# Altium PCB TEBF0808ASCII.PcbDoc (part 4 of 10) (continued)
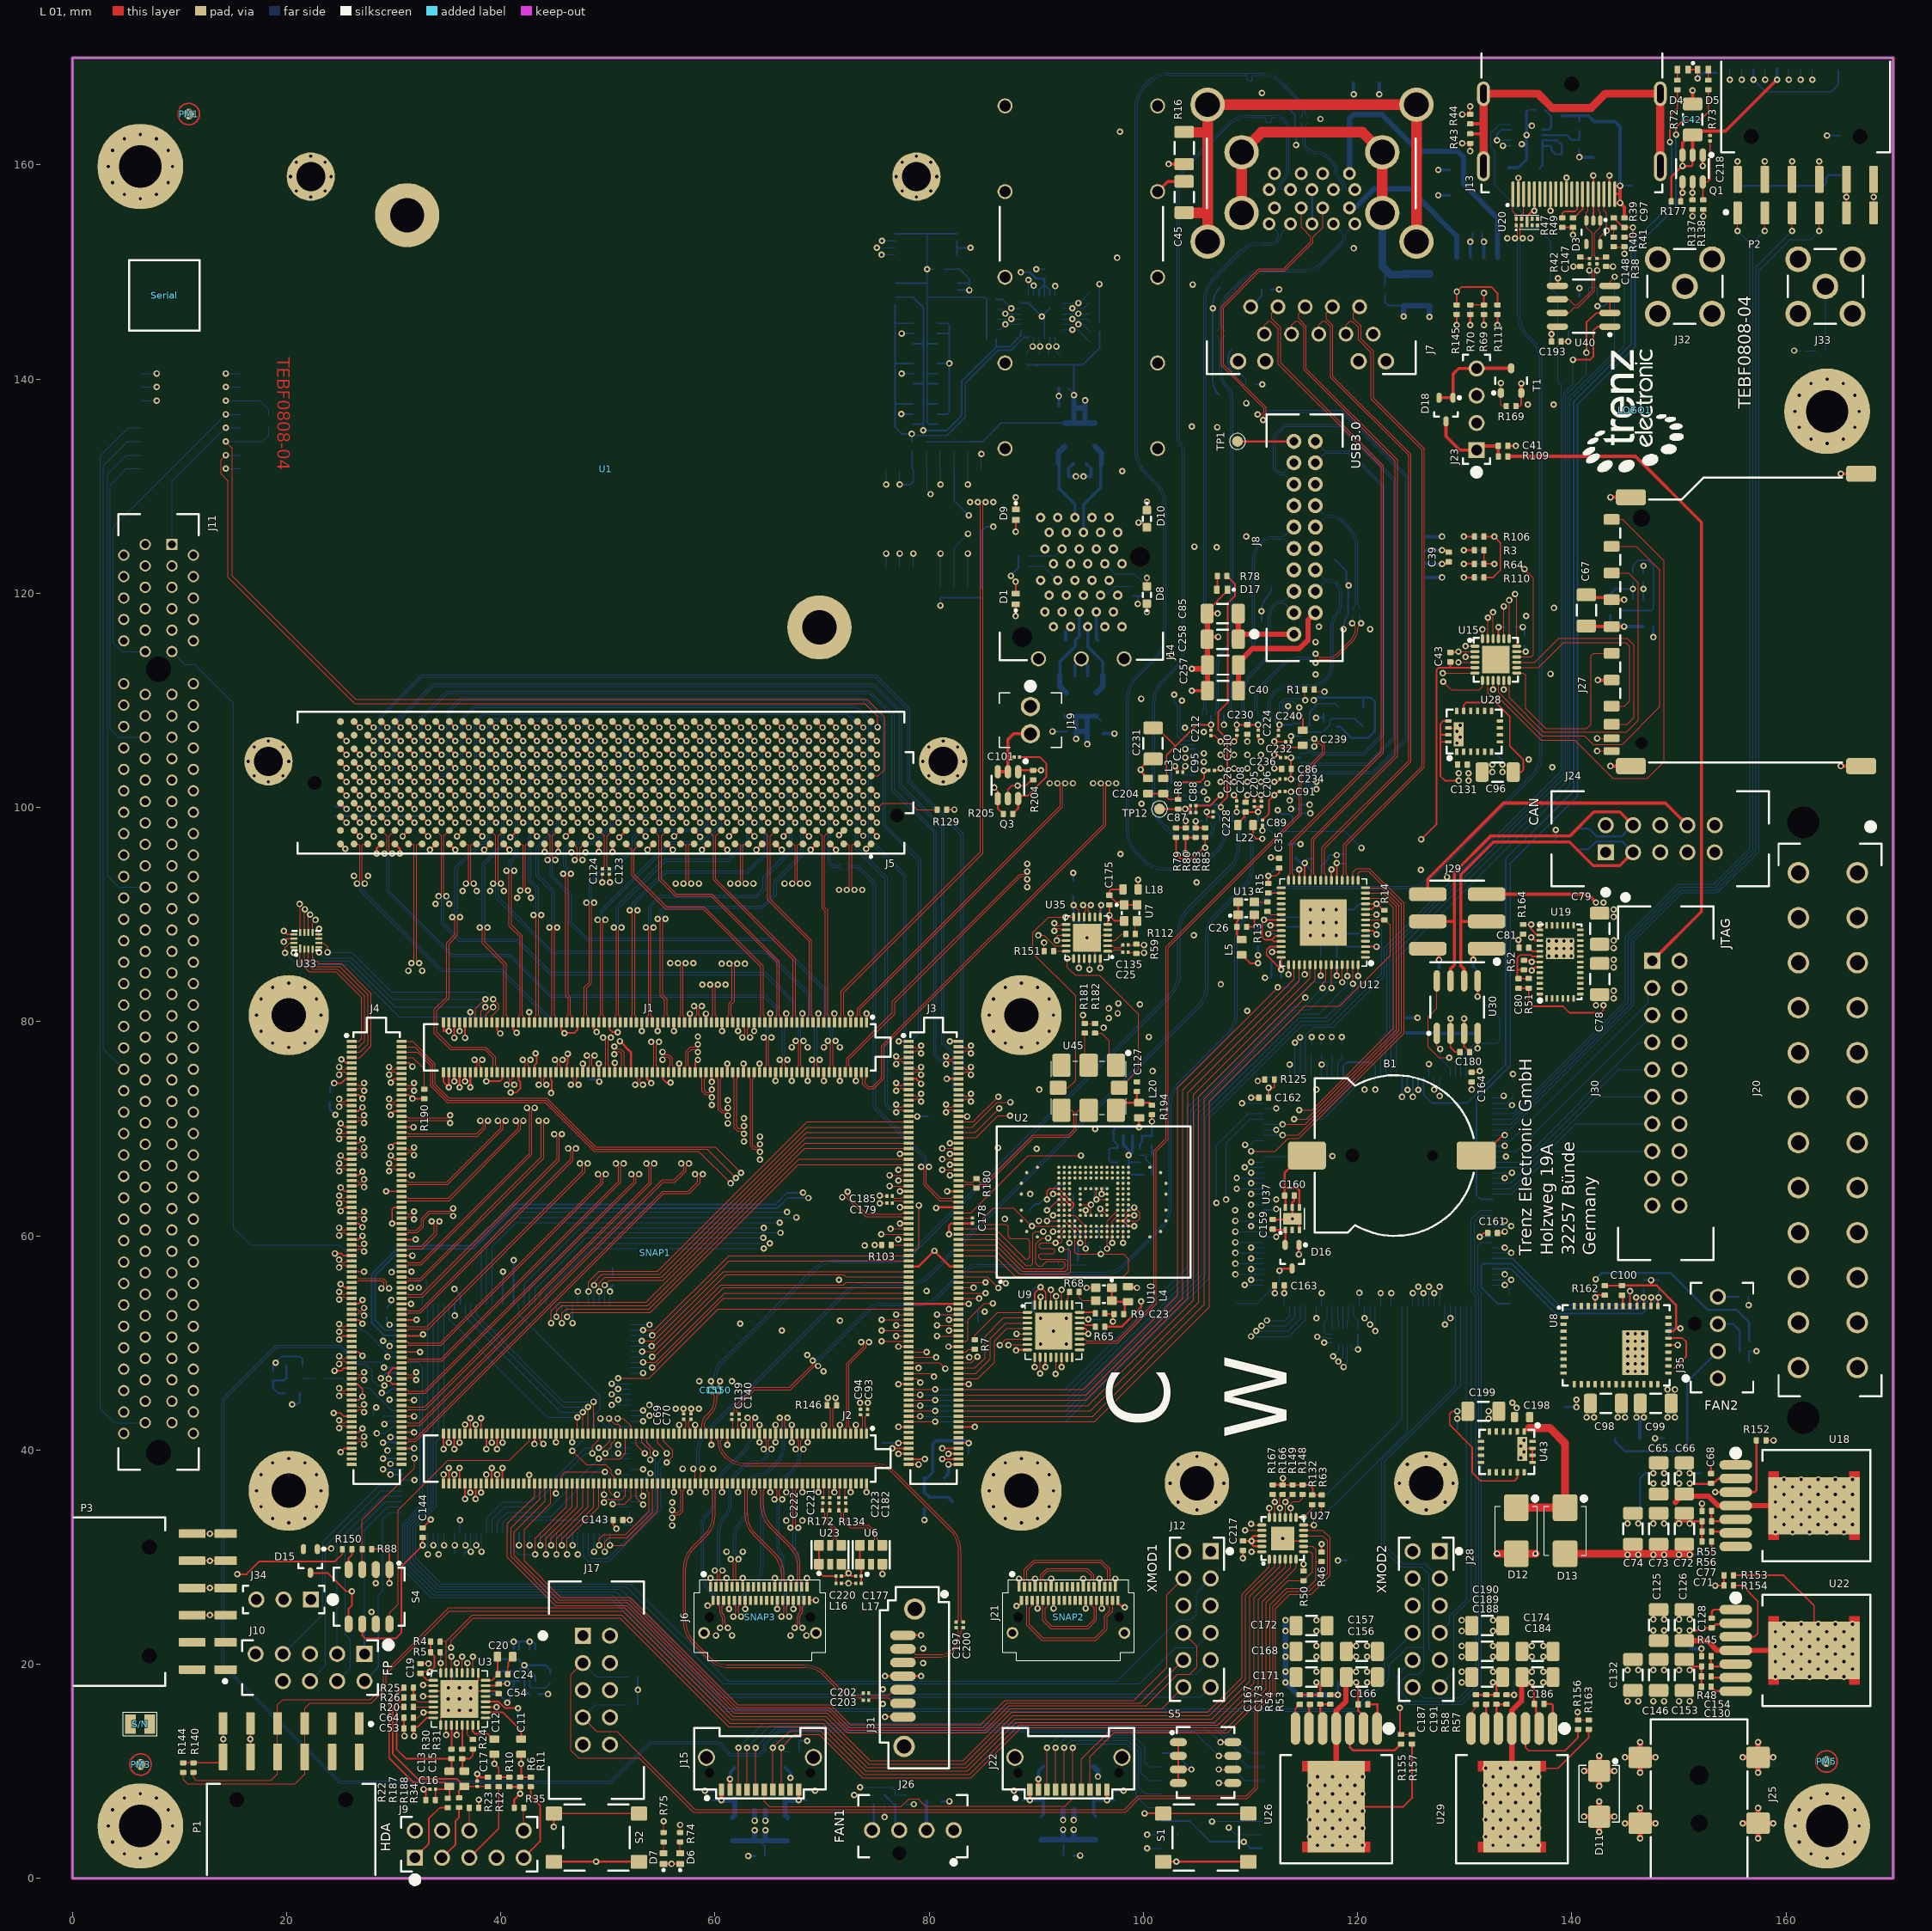
[diagram p0: L 01 view]
## Nets (pads, with @x,y where several pads share a name; then routed paths per layer and width w, separated by ;. In a path a pad name is that pad's centre, name@x,y a point inside that pad or via, vN(x,y) a via of type N, cw(c..) or ccw(c..) an arc to the next point about the centre after c; other vN are vias at no path point) (continued)
B64_L5_N: J4.104 J5.C14 | length 59.7
  L 01 w0.1: J4.104@30.74,52.653 31.255,52.653 31.395,52.793 32.493,52.793 46.76,67.06 46.76,67.9 v1(47.01,68.15)
  L 01 w0.2: J5.C14@58.056,99.125 v1(58.605,98.576)
  L 03 S w0.08: v1(47.01,68.15) 46.75,68.41 46.75,70.85 51.8,75.9 51.8,80.9 54.15,83.25 54.15,86.664 56.075,88.589 56.075,91.125 55.775,91.425 55.775,93.742 58.07,96.038 58.07,98.041 v1(58.605,98.576)
B64_L5_P: J4.102 J5.C15 | length 59.3
  L 01 w0.1: J4.102@30.74,53.153 31.255,53.153 31.395,53.013 32.402,53.013 46.54,67.151 46.54,67.9 v1(46.29,68.15)
  L 01 w0.2: J5.C15@56.786,99.125 v1(57.335,98.576)
  L 03 S w0.08: v1(46.29,68.15) 46.55,68.41 46.55,70.933 51.6,75.983 51.6,80.983 53.95,83.333 53.95,86.747 55.875,88.672 55.875,91.042 55.575,91.342 55.575,93.825 57.87,96.12 57.87,98.041 v1(57.335,98.576)
B64_L6_N: J4.96 J5.D15 | length 59.3
  L 01 w0.1: J4.96@30.74,54.653 31.255,54.653 31.395,54.513 32.602,54.513 45.24,67.151 45.24,69.25 v1(44.99,69.5)
  L 01 w0.2: J5.D15@56.786,100.395 v1(57.335,99.846)
  L 05 S w0.08: v1(44.99,69.5) 45.25,69.76 45.25,74.05 45.25,74.883 46.95,76.583 46.95,80.15 55.95,89.15 55.95,91.55 55.55,91.95 55.55,93.15 55.65,93.25 57.87,95.47 57.87,99.311 v1(57.335,99.846)
B64_L6_P: J4.98 J5.D14 | length 59.6
  L 01 w0.1: J4.98@30.74,54.153 31.255,54.153 31.395,54.293 32.693,54.293 45.46,67.06 45.46,69.25 v1(45.71,69.5)
  L 01 w0.2: J5.D14@58.056,100.395 v1(58.605,99.846)
  L 05 S w0.08: v1(45.71,69.5) 45.45,69.76 45.45,74.8 47.15,76.5 47.15,80.067 56.15,89.067 56.15,91.633 55.75,92.033 55.75,93.067 58.07,95.388 58.07,99.311 v1(58.605,99.846)
B64_L7_N: J4.152 J5.H7 | length 82.7
  L 01 w0.1: J4.152@30.74,40.653 31.255,40.653 31.402,40.8 32.061,40.8 55.201,63.939 57.601,63.939 58.61,64.949 58.61,65.5 v1(58.86,65.75)
  L 01 w0.2: J5.H7@66.946,105.475 v1(67.495,104.926)
  L 03 S w0.08: v1(58.86,65.75) 58.6,66.01 58.6,74.35 61.51,77.26 61.51,79.327 66,83.817 66,93.767 67.15,94.917 67.15,97.457 66.96,97.647 66.96,104.391 v1(67.495,104.926)
B64_L7_P: J4.150 J5.H8 | length 82.4
  L 01 w0.1: J4.150@30.74,41.153 31.255,41.153 31.388,41.02 31.97,41.02 55.109,64.159 57.509,64.159 58.39,65.04 58.39,65.5 v1(58.14,65.75)
  L 01 w0.2: J5.H8@65.676,105.475 v1(66.225,104.926)
  L 03 S w0.08: v1(58.14,65.75) 58.4,66.01 58.4,74.433 61.31,77.343 61.31,79.41 65.8,83.9 65.8,93.85 66.95,95 66.95,97.374 66.76,97.564 66.76,104.391 v1(66.225,104.926)
B64_L8_N: J4.144 J5.G10 | length 78.6
  L 01 w0.1: J4.144@30.74,42.653 31.255,42.653 31.395,42.513 32.385,42.513 55.092,65.22 56.17,65.22 57.09,66.14 57.09,66.5 v1(56.84,66.75)
  L 01 w0.2: J5.G10@63.136,104.205 v1(63.685,103.656)
  L 03 S w0.08: v1(56.84,66.75) 57.1,67.01 57.1,72.708 57.8,73.408 57.8,74.733 59.75,76.683 59.75,79.233 65.15,84.633 65.15,96.417 64.22,97.347 64.22,103.121 v1(63.685,103.656)
B64_L8_P: J4.146 J5.G9 | length 79
  L 01 w0.1: J4.146@30.74,42.153 31.255,42.153 31.395,42.293 32.476,42.293 55.183,65 56.261,65 57.31,66.049 57.31,66.5 v1(57.56,66.75)
  L 01 w0.2: J5.G9@64.406,104.205 v1(64.955,103.656)
  L 03 S w0.08: v1(57.56,66.75) 57.3,67.01 57.3,72.625 58,73.325 58,74.65 59.95,76.6 59.95,79.15 65.35,84.55 65.35,96.5 64.42,97.43 64.42,103.121 v1(64.955,103.656)
B64_L9_N: J4.108 J5.H14 | length 68
  L 01 w0.1: J4.108@30.74,51.653 31.255,51.653 31.395,51.513 33.119,51.513 47.64,66.034 47.64,66.5 v1(47.39,66.75)
  L 01 w0.2: J5.H14@58.056,105.475 v1(58.605,104.926)
  L 03 S w0.08: v1(47.39,66.75) 47.65,67.01 47.65,70.658 52.45,75.458 52.45,80.583 54.8,82.933 54.8,86.2 59.4,90.8 59.4,96.517 59.14,96.777 59.14,104.391 v1(58.605,104.926)
B64_L9_P: J4.110 J5.H13 | length 68.4
  L 01 w0.1: J4.110@30.74,51.153 31.255,51.153 31.395,51.293 33.21,51.293 47.86,65.943 47.86,66.5 v1(48.11,66.75)
  L 01 w0.2: J5.H13@59.326,105.475 v1(59.875,104.926)
  L 03 S w0.08: v1(48.11,66.75) 47.85,67.01 47.85,70.575 52.65,75.375 52.65,80.5 55,82.85 55,86.117 59.6,90.717 59.6,96.6 59.34,96.86 59.34,104.391 v1(59.875,104.926)
B64_L10_N: J4.90 J5.H17 | length 61.4
  L 01 w0.1: J4.90@30.74,56.153 31.255,56.153 31.395,56.013 32.452,56.013 43.79,67.351 43.79,70.5 v1(43.54,70.75)
  L 01 w0.2: J5.H17@54.246,105.475 v1(54.795,104.926)
  L 03 S w0.08: v1(43.54,70.75) 43.8,71.01 43.8,71.4 45.6,73.2 45.6,74.35 46.805,75.555 46.805,77.805 49.75,80.75 52.65,83.65 52.65,89.15 53.6,90.1 53.6,94.833 55.33,96.563 55.33,104.391 v1(54.795,104.926)
B64_L10_P: J4.92 J5.H16 | length 61.7
  L 01 w0.1: J4.92@30.74,55.653 31.255,55.653 31.395,55.793 32.543,55.793 44.01,67.26 44.01,70.5 v1(44.26,70.75)
  L 01 w0.2: J5.H16@55.516,105.475 v1(56.065,104.926)
  L 03 S w0.08: v1(44.26,70.75) 44,71.01 44,71.317 45.8,73.117 45.8,74.267 47.005,75.473 47.005,77.723 52.85,83.567 52.85,89.067 53.8,90.017 53.8,94.75 55.53,96.48 55.53,104.391 v1(56.065,104.926)
B64_L11_N: J4.80 J5.D9 | length 68.3
  L 01 w0.1: J4.80@30.74,58.653 31.255,58.653 31.395,58.793 32.654,58.793 34.02,60.159 34.02,61.1 v1(34.27,61.35)
  L 01 w0.2: J5.D9@64.406,100.395 v1(64.955,99.846)
  L 05 S w0.08: v1(34.27,61.35) 34.01,61.09 34.01,60.723 34.283,60.45 49,60.45 55,66.45 55,71.9 59.93,76.83 59.93,80.38 60.05,80.5 64.25,84.7 64.25,95.35 65.49,96.59 65.49,99.311 v1(64.955,99.846)
B64_L11_P: J4.78 J5.D8 | length 68.6
  L 01 w0.1: J4.78@30.74,59.153 31.255,59.153 31.395,59.013 32.563,59.013 33.8,60.25 33.8,61.1 v1(33.55,61.35)
  L 01 w0.2: J5.D8@65.676,100.395 v1(66.225,99.846)
  L 05 S w0.08: v1(33.55,61.35) 33.81,61.09 33.81,60.64 34.2,60.25 49.083,60.25 55.2,66.367 55.2,71.817 60.13,76.747 60.13,80.297 64.45,84.617 64.45,95.267 65.69,96.508 65.69,99.311 v1(66.225,99.846)
B64_L12_N: J4.126 J5.G7 | length 77
  L 01 w0.1: J4.126@30.74,47.153 31.255,47.153 31.395,47.013 31.85,47.013 v1(32.1,47.263)
  L 01 w0.2: J5.G7@66.946,104.205 v1(67.495,103.656)
  L 05 S w0.08: v1(32.1,47.263) 32.363,47 36.9,47 55.9,66 55.9,71.8 61.38,77.28 61.38,80.38 65.33,84.33 65.33,93.53 68.03,96.23 68.03,103.121 v1(67.495,103.656)
B64_L12_P: J4.128 J5.G6 | length 108
  L 01 w0.1: J4.128@30.74,46.653 31.255,46.653 31.395,46.793 31.85,46.793 v1(32.1,46.543)
  L 01 w0.2: J5.G6@68.216,104.205 v1(68.765,103.656)
  L 05 S w0.08: v1(32.1,46.543) 32.357,46.8 36.983,46.8 ; v1(68.765,103.656) 68.23,103.121 68.23,96.148 ; 36.983,46.8 56,65.817 ; 36.983,46.8 56,65.817 ; 56,65.817 56.1,65.917 56.1,71.717 61.58,77.197 61.58,80.297 65.53,84.247 65.53,93.447 ; 65.53,93.447 68.23,96.148 ; 65.53,93.447 68.23,96.148
B64_L13_N: J4.66 J5.K26 | length 58.5
  L 01 w0.1: J4.66@30.74,62.153 31.255,62.153 31.395,62.013 31.652,62.013 v1(31.902,62.263)
  L 01 w0.2: J5.K26@42.816,108.015 v1(43.365,107.466)
  L 14 S w0.08: v1(31.902,62.263) 32.162,62.003 32.553,62.003 32.9,62.35 32.9,79.317 30.6,81.617 30.6,89.4 35.1,93.9 36.267,93.9 37.217,94.85 41.75,94.85 43.9,97 43.9,106.931 v1(43.365,107.466)
B64_L13_P: J4.68 J5.K25 | length 58.8
  L 01 w0.1: J4.68@30.74,61.653 31.255,61.653 31.395,61.793 31.652,61.793 v1(31.902,61.543)
  L 01 w0.2: J5.K25@44.086,108.015 v1(44.635,107.466)
  L 14 S w0.08: v1(31.902,61.543) 32.162,61.803 32.636,61.803 33.1,62.267 33.1,79.4 30.8,81.7 30.8,89.317 35.183,93.7 36.35,93.7 37.3,94.65 41.833,94.65 44.1,96.918 44.1,106.931 v1(44.635,107.466)
B64_L14_N: J4.72 J5.H5 | length 76.7
  L 01 w0.1: J4.72@30.74,60.653 31.255,60.653 31.395,60.513 32.113,60.513 32.575,60.975 32.575,61.591 33.304,62.32 35.3,62.32 v1(35.55,62.57)
  L 01 w0.2: J5.H5@69.486,105.475 v1(70.035,104.926)
  L 03 S w0.08: v1(35.55,62.57) 35.81,62.31 56.76,62.31 61.85,67.4 61.85,71.29 64.82,74.26 64.82,76.77 67.295,79.245 67.295,89.82 70.57,93.095 70.57,104.391 v1(70.035,104.926)
B64_L14_P: J4.74 J5.H4 | length 77.1
  L 01 w0.1: J4.74@30.74,60.153 31.255,60.153 31.395,60.293 32.204,60.293 32.795,60.884 32.795,61.5 33.395,62.1 35.3,62.1 v1(35.55,61.85)
  L 01 w0.2: J5.H4@70.756,105.475 v1(71.305,104.926)
  L 03 S w0.08: v1(35.55,61.85) 35.81,62.11 56.843,62.11 62.05,67.317 62.05,71.207 65.02,74.177 65.02,76.687 67.05,78.717 67.495,79.163 67.495,89.738 70.77,93.013 70.77,104.391 v1(71.305,104.926)
B64_L15_N: J4.38 J5.H19 | length 50.2
  L 01 w0.1: J4.38@30.74,69.153 31.255,69.153 31.395,69.293 37.794,69.293 38.56,70.059 38.56,70.5 v1(38.81,70.75)
  L 01 w0.2: J5.H19@51.706,105.475 v1(52.255,104.926)
  L 03 S w0.08: v1@38.81,70.8 38.55,71.06 38.55,71.392 39.65,72.492 39.65,74.842 45.65,80.842 45.65,83.775 48.25,86.375 48.25,89.667 48.833,90.25 49.75,90.25 51.72,92.22 51.72,104.391 v1(52.255,104.926)
B64_L15_P: J4.36 J5.H20 | length 49.8
  L 01 w0.1: J4.36@30.74,69.653 31.255,69.653 31.395,69.513 37.703,69.513 38.34,70.15 38.34,70.5 v1(38.09,70.75)
  L 01 w0.2: J5.H20@50.436,105.475 v1(50.985,104.926)
  L 03 S w0.08: v1@38.09,70.8 38.35,71.06 38.35,71.475 39.45,72.575 39.45,74.925 45.45,80.925 45.45,83.858 48.05,86.458 48.05,89.75 48.75,90.45 49.667,90.45 51.52,92.303 51.52,104.391 v1(50.985,104.926)
B64_L16_N: J4.84 J5.G16 | length 59.2
  L 01 w0.1: J4.84@30.74,57.653 31.255,57.653 31.395,57.513 32.502,57.513 42.69,67.701 42.69,71.7 v1(42.44,71.95)
  L 01 w0.2: J5.G16@55.516,104.205 v1(56.065,103.656)
  L 05 S w0.08: v1(42.44,71.95) 42.7,72.21 42.7,74.4 44.3,76 44.3,78.375 45.305,79.38 45.305,81.805 53.65,90.15 53.65,92.75 56.627,95.727 56.627,103.094 v1(56.065,103.656)
B64_L16_P: J4.86 J5.G15 | length 59.5
  L 01 w0.1: J4.86@30.74,57.153 31.255,57.153 31.395,57.293 32.593,57.293 42.91,67.61 42.91,71.7 v1(43.16,71.95)
  L 01 w0.2: J5.G15@56.786,104.205 v1(57.335,103.656)
  L 05 S w0.08: v1(43.16,71.95) 42.9,72.21 42.9,74.317 44.45,75.867 44.5,75.917 44.5,78.292 45.505,79.298 45.505,81.723 53.85,90.067 53.85,92.667 56.827,95.644 56.827,103.147 v1(57.335,103.656)
B64_L17_N: J4.62 J5.C18 | length 48.9
  L 01 w0.1: J4.62@30.74,63.153 31.255,63.153 31.395,63.293 35.193,63.293 41.86,69.96 41.86,70.5 v1(42.11,70.75)
  L 01 w0.2: J5.C18@52.976,99.125 v1(53.525,98.576)
  L 03 S w0.08: v1(42.11,70.75) 41.85,71.01 41.85,73.15 42.575,73.875 42.575,74.617 52.05,84.092 52.05,89.35 51.4,90 51.4,90.817 52.99,92.408 52.99,98.041 v1(53.525,98.576)
B64_L17_P: J4.60 J5.C19 | length 48.6
  L 01 w0.1: J4.60@30.74,63.653 31.255,63.653 31.395,63.513 35.102,63.513 41.64,70.051 41.64,70.5 v1(41.39,70.75)
  L 01 w0.2: J5.C19@51.706,99.125 v1(52.255,98.576)
  L 03 S w0.08: v1(41.39,70.75) 41.65,71.01 41.65,73.233 42.375,73.958 42.375,74.7 51.85,84.175 51.85,89.267 51.2,89.917 51.2,90.9 52.79,92.49 52.79,98.041 v1(52.255,98.576)
B64_L18_N: J4.56 J5.D17 | length 49.4
  L 01 w0.1: J4.56@30.74,64.653 31.255,64.653 31.395,64.793 35.044,64.793 40.21,69.959 40.21,70.5 v1(40.46,70.75)
  L 01 w0.2: J5.D17@54.246,100.395 v1(54.795,99.846)
  L 05 S w0.08: v1(40.46,70.75) 40.2,71.01 40.2,71.35 42.15,73.3 42.15,74.617 43.75,76.217 43.9,76.367 43.9,81.567 48.1,85.767 48.1,89.767 48.533,90.2 49.433,90.2 54.6,95.367 54.6,97.633 54.26,97.972 54.26,99.311 v1(54.795,99.846)
B64_L18_P: J4.54 J5.D18 | length 49.3
  L 01 w0.08: v1(39.74,70.75) v1@39.94,70.75
  L 01 w0.1: J4.54@30.74,65.153 31.255,65.153 31.395,65.013 34.953,65.013 39.99,70.05 39.99,70.5 v1(39.74,70.75) ; v1@39.94,70.75 v1@39.99,70.8
  L 01 w0.2: J5.D18@52.976,100.395 v1(53.525,99.846)
  L 05 S w0.08: v1(39.74,70.75) 40,71.01 40,71.433 41.95,73.383 41.95,74.7 43.7,76.45 43.7,81.65 47.9,85.85 47.9,89.85 48.45,90.4 49.35,90.4 54.4,95.45 54.4,97.55 54.06,97.89 54.06,99.311 v1(53.525,99.846)
B64_L19_N: J4.30 J5.G19 | length 46.2
  L 01 w0.1: J4.30@30.74,71.153 31.255,71.153 31.395,71.013 35.025,71.013 v1(35.275,71.263)
  L 01 w0.2: J5.G19@51.706,104.205 v1(52.255,103.656)
  L 05 S w0.08: v1(35.275,71.263) 35.535,71.003 36.195,71.003 39.65,74.458 39.65,75.55 40.805,76.705 40.805,80.513 46.8,86.508 46.8,91.26 52.79,97.25 52.79,103.121 v1(52.255,103.656)
B64_L19_P: J4.32 J5.G18 | length 46.6
  L 01 w0.1: J4.32@30.74,70.653 31.255,70.653 31.395,70.793 35.025,70.793 v1(35.275,70.543)
  L 01 w0.2: J5.G18@52.976,104.205 v1(53.525,103.656)
  L 05 S w0.08: v1(35.275,70.543) 35.535,70.803 36.278,70.803 39.85,74.375 39.85,75.467 41.005,76.623 41.005,80.43 47,86.425 47,91.177 52.99,97.168 52.99,103.121 v1(53.525,103.656)
B64_L20_N: J4.48 J5.E22 | length 53.5
  L 01 w0.1: v1(29.578,66.763) 29.828,66.513 30.085,66.513 30.225,66.653 J4.48@30.74,66.653
  L 01 w0.2: J5.E22@47.896,101.665 v1(48.445,101.116)
  L 12 S w0.08: v1(29.578,66.763) 29.838,66.503 32.803,66.503 34.25,67.95 34.25,88.85 33,90.1 33,92.033 35.117,94.15 37.4,94.15 40.1,96.85 40.1,97.511 40.725,98.136 41.008,98.136 41.265,98.393 41.265,98.698 41.867,99.3 48.75,99.3 48.98,99.53 48.98,100.581 v1(48.445,101.116)
B64_L20_P: J4.50 J5.E21 | length 53.9
  L 01 w0.1: v1(29.578,66.043) 29.828,66.293 30.085,66.293 30.225,66.153 J4.50@30.74,66.153
  L 01 w0.2: J5.E21@49.166,101.665 v1(49.715,101.116)
  L 12 S w0.08: v1(29.578,66.043) 29.838,66.303 32.886,66.303 34.45,67.867 34.45,87.2 34.45,88.933 33.2,90.183 33.2,91.95 35.2,93.95 37.483,93.95 37.783,94.25 40.3,96.767 40.3,97.428 40.808,97.936 41.091,97.936 41.465,98.31 41.465,98.615 41.95,99.1 48.833,99.1 49.18,99.448 49.18,100.581 v1(49.715,101.116)
B64_L21_N: J4.44 J5.E24 | length 46.6
  L 01 w0.1: J4.44@30.74,67.653 31.255,67.653 31.395,67.793 31.652,67.793 v1(31.902,67.543)
  L 01 w0.2: J5.E24@45.356,101.665 v1(45.905,101.116)
  L 12 S w0.08: v1(31.902,67.543) 32.162,67.803 32.583,67.803 33.75,68.97 33.75,87.35 32.5,88.6 32.5,92.3 35.275,95.075 36.15,95.075 37.675,96.6 38.583,96.6 40.3,98.317 40.3,99.942 40.758,100.4 45.103,100.4 45.37,100.667 45.37,101 45.486,101.116 v1(45.905,101.116)
B64_L21_P: J4.42 J5.E25 | length 46.3
  L 01 w0.1: J4.42@30.74,68.153 31.255,68.153 31.395,68.013 31.652,68.013 v1(31.902,68.263)
  L 01 w0.2: J5.E25@44.086,101.665 v1(44.635,101.116)
  L 12 S w0.08: v1(31.902,68.263) 32.162,68.003 32.5,68.003 33.55,69.053 33.55,87.267 32.3,88.517 32.3,92.383 35.192,95.275 36.067,95.275 37.592,96.8 38.5,96.8 40.1,98.4 40.1,100.025 40.675,100.6 45.02,100.6 45.17,100.75 45.17,101 45.055,101.116 v1(44.635,101.116)
B64_L22_N: J4.20 J5.F22 | length 38.3
  L 01 w0.1: J4.20@30.74,73.653 31.255,73.653 31.395,73.793 31.652,73.793 v1(31.902,73.543)
  L 01 w0.2: J5.F22@47.896,102.935 v1(48.445,102.386)
  L 03 S w0.08: v1(31.902,73.543) 32.162,73.803 32.953,73.803 41.85,82.7 41.85,86.917 44.95,90.017 44.95,93.667 46.05,94.767 46.05,96.167 47.91,98.028 47.91,101.851 v1(48.445,102.386)
B64_L22_P: J4.18 J5.F23 | length 37.9
  L 01 w0.1: J4.18@30.74,74.153 31.255,74.153 31.395,74.013 31.652,74.013 v1(31.902,74.263)
  L 01 w0.2: J5.F23@46.626,102.935 v1(47.175,102.386)
  L 03 S w0.08: v1(31.902,74.263) 32.162,74.003 32.87,74.003 41.65,82.783 41.65,87 44.75,90.1 44.75,93.75 45.85,94.85 45.85,96.25 47.71,98.11 47.71,101.851 v1(47.175,102.386)
B64_L23_N: J4.26 J5.J25 | length 50.8
  L 01 w0.1: v1(29.578,72.043) 29.828,72.293 30.085,72.293 30.225,72.153 J4.26@30.74,72.153
  L 01 w0.2: J5.J25@44.086,106.745 v1(44.635,106.196)
  L 12 S w0.08: v1(29.578,72.043) 29.318,72.303 29.017,72.303 28.05,73.27 28.05,91.783 33.067,96.8 33.5,96.8 33.8,97.1 33.8,104.033 34.117,104.35 35.85,104.35 36.3,104.8 36.3,105.283 36.667,105.65 45,105.65 45.17,105.82 45.17,106.1 45.075,106.196 v1(44.635,106.196)
B64_L23_P: J4.24 J5.J24 | length 50.5
  L 01 w0.1: v1(29.578,72.763) 29.828,72.513 30.085,72.513 30.225,72.653 J4.24@30.74,72.653
  L 01 w0.2: J5.J24@45.356,106.745 v1(45.905,106.196)
  L 12 S w0.08: v1(29.578,72.763) 29.318,72.503 29.1,72.503 28.25,73.353 28.25,91.7 33.15,96.6 33.583,96.6 34,97.017 34,103.95 34.2,104.15 35.933,104.15 36.5,104.717 36.5,105.2 36.75,105.45 45.083,105.45 45.37,105.738 45.37,106.1 45.466,106.196 v1(45.905,106.196)
B64_L24_N: J4.12 J5.F26 | length 35.6
  L 01 w0.1: v1(29.578,75.763) 29.828,75.513 30.085,75.513 30.225,75.653 J4.12@30.74,75.653
  L 01 w0.2: J5.F26@42.816,102.935 v1(43.365,102.386)
  L 03 S w0.08: v1(29.578,75.763) 29.838,75.503 30.167,75.503 30.4,75.736 30.4,77.583 42.126,89.308 42.126,90.108 43.32,91.303 43.32,96.22 43.9,96.8 43.9,101.851 v1(43.365,102.386)
B64_L24_P: J4.14 J5.F25 | length 35.9
  L 01 w0.1: v1(29.578,75.043) 29.828,75.293 30.085,75.293 30.225,75.153 J4.14@30.74,75.153
  L 01 w0.2: J5.F25@44.086,102.935 v1(44.635,102.386)
  L 03 S w0.08: v1(29.578,75.043) 29.838,75.303 30.25,75.303 30.6,75.653 30.6,77.5 42.326,89.226 42.326,90.026 43.52,91.22 43.52,96.137 44.1,96.718 44.1,101.851 v1(44.635,102.386)
B64_T0: J4.8 R190.1 | length 4.4
  L 01 w0.1: J4.8@30.74,76.653 31.772,76.653 32.85,75.575 R190.1@32.85,73.695
B64_T1: J4.6 U32.10 | length 107.2
  L 01 w0.1: J4.6@30.74,77.153 32.206,77.153 33.475,75.884 33.475,73.984 34.984,72.475 44.125,72.475 48.71,67.89 58.46,67.89 v1(61.45,64.9)
  L 14 S w0.1: v1(61.45,64.9) 61.45,60.359 74.659,47.15 79.7,47.15 79.9,47.35 80.775,47.35 81.025,47.1 84.75,47.1 85.875,48.225 116.925,48.225 117.39,47.76 v1(118.69,47.76)
  L 16 w0.1: v1(118.69,47.76) 119.05,48.12 U32.10@119.05,49.85
B64_T2: J4.2 U32.12 | length 105.7
  L 01 w0.1: J4.2@30.74,78.153 31.772,78.153 33.875,76.05 33.875,74.15 35.15,72.875 44.291,72.875 48.876,68.29 60.04,68.29 v1(62.44,65.89)
  L 14 S w0.1: v1(62.44,65.89) 62.44,59.935 73.375,49 78.45,49 79.125,49.675 80.425,49.675 80.95,49.15 85.35,49.15 85.85,48.65 117.6,48.65 v1(117.7,48.75)
  L 16 w0.1: v1(117.7,48.75) 118.25,49.3 U32.12@118.25,49.85
B64_T3: J4.4 U32.11 | length 105.8
  L 01 w0.1: J4.4@30.74,77.653 31.989,77.653 33.675,75.967 33.675,74.067 35.067,72.675 44.208,72.675 48.793,68.09 59.25,68.09 v1(61.945,65.395)
  L 14 S w0.1: v1(61.945,65.395) 61.945,60.147 73.917,48.175 85.375,48.175 85.65,48.45 117.2,48.45 117.395,48.255 v1(118.195,48.255)
  L 16 w0.1: v1(118.195,48.255) 118.65,48.71 U32.11@118.65,49.85
B65_L1_N: J4.145 J5.G37 | length 69.7
  L 01 w0.1: v1(24.908,42.043) 25.158,42.293 25.415,42.293 25.555,42.153 J4.145@26.07,42.153
  L 01 w0.2: J5.G37@28.846,104.205 v1(29.395,103.656)
  L 05 S w0.08: v1(24.908,42.043) 24.648,42.303 24.214,42.303 22.1,44.417 22.1,74.833 25.4,78.133 25.4,93.833 27.4,95.833 27.4,100.233 27.767,100.6 29.7,100.6 29.93,100.83 29.93,103.121 v1(29.395,103.656)
B65_L1_P: J4.143 J5.G36 | length 69.4
  L 01 w0.1: v1(24.908,42.763) 25.158,42.513 25.415,42.513 25.555,42.653 J4.143@26.07,42.653
  L 01 w0.2: J5.G36@30.116,104.205 v1(30.665,103.656)
  L 05 S w0.08: v1(24.908,42.763) 24.648,42.503 24.297,42.503 22.3,44.5 22.3,74.75 25.6,78.05 25.6,93.75 27.6,95.75 27.6,100.15 27.85,100.4 29.783,100.4 30.13,100.748 30.13,103.121 v1(30.665,103.656)
B65_L2_N: J4.125 J5.H23 | length 70.5
  L 01 w0.1: J4.125@26.07,47.153 26.585,47.153 26.725,47.013 26.982,47.013 v1(27.232,47.263)
  L 01 w0.2: J5.H23@46.626,105.475 v1(47.175,104.926)
  L 05 S w0.08: v1(27.232,47.263) 27.492,47.003 27.82,47.003 28,47.183 28,56.801 32.7,61.501 32.7,63.55 34.35,65.2 34.35,75.233 45.9,86.783 45.9,91.983 48.35,94.433 48.35,96.493 48.98,97.123 48.98,100.056 48.636,100.4 48.117,100.4 47.71,100.807 47.71,104.391 v1(47.175,104.926)
B65_L2_P: J4.127 J5.H22 | length 70.9
  L 01 w0.1: J4.127@26.07,46.653 26.585,46.653 26.725,46.793 26.982,46.793 v1(27.232,46.543)
  L 01 w0.2: J5.H22@47.896,105.475 v1(48.445,104.926)
  L 05 S w0.08: v1(27.232,46.543) 27.492,46.803 27.903,46.803 28.2,47.1 28.2,56.718 32.9,61.418 32.9,63.467 34.55,65.117 34.55,75.15 46.1,86.7 46.1,91.9 48.55,94.35 48.55,96.41 49.18,97.04 49.18,100.138 48.719,100.6 48.2,100.6 47.91,100.89 47.91,104.391 v1(48.445,104.926)
B65_L3_N: J4.137 J5.H34 | length 70.8
  L 01 w0.1: J4.137@26.07,44.153 26.585,44.153 26.725,44.013 26.982,44.013 v1(27.232,44.263)
  L 01 w0.2: J5.H34@32.656,105.475 v1(33.205,104.926)
  L 03 S w0.08: v1(27.232,44.263) 26.972,44.003 25.13,44.003 22.5,46.633 22.5,76.367 25.25,79.117 28.048,81.915 28.048,89.165 32.67,93.788 32.67,104.391 v1(33.205,104.926)
B65_L3_P: J4.139 J5.H35 | length 71.1
  L 01 w0.1: J4.139@26.07,43.653 26.585,43.653 26.725,43.793 26.982,43.793 v1(27.232,43.543)
  L 01 w0.2: J5.H35@31.386,105.475 v1(31.935,104.926)
  L 03 S w0.08: v1(27.232,43.543) 26.972,43.803 25.047,43.803 22.3,46.55 22.3,76.45 22.45,76.6 27.848,81.998 27.848,89.248 32.47,93.87 32.47,104.391 v1(31.935,104.926)
B65_L4_N: J4.107 J5.G27 | length 64.5
  L 01 w0.1: v1(24.908,51.763) 25.158,51.513 25.415,51.513 25.555,51.653 J4.107@26.07,51.653
  L 01 w0.2: J5.G27@41.546,104.205 v1(42.095,103.656)
  L 03 S w0.08: v1(24.908,51.763) 24.648,51.503 24.35,51.503 23.8,52.053 23.8,75.85 30.15,82.2 30.15,88.9 34.75,93.5 37.316,93.5 40.35,96.534 40.35,100.15 40.6,100.4 41.133,100.4 41.56,100.828 41.56,103.121 v1(42.095,103.656)
B65_L4_P: J4.109 J5.G28 | length 64.9
  L 01 w0.1: v1(24.908,51.043) 25.158,51.293 25.415,51.293 25.555,51.153 J4.109@26.07,51.153
  L 01 w0.2: J5.G28@40.276,104.205 v1(40.825,103.656)
  L 03 S w0.08: v1(24.908,51.043) 24.648,51.303 24.267,51.303 23.6,51.97 23.6,75.933 29.95,82.283 29.95,88.983 34.667,93.7 37.233,93.7 40.15,96.617 40.15,100.233 40.517,100.6 41.05,100.6 41.36,100.91 41.36,103.121 v1(40.825,103.656)
B65_L5_N: J4.151 J5.H38 | length 74.5
  L 01 w0.1: J4.151@26.07,40.653 26.585,40.653 26.725,40.793 26.982,40.793 v1(27.232,40.543)
  L 01 w0.2: J5.H38@27.576,105.475 v1(28.125,104.926)
  L 05 S w0.08: v1(27.232,40.543) 26.972,40.803 24.639,40.803 21.5,43.942 21.5,75.033 24.65,78.183 24.65,94.35 26.15,95.85 26.15,102.783 26.517,103.15 28.4,103.15 28.66,103.41 28.66,104.391 v1(28.125,104.926)
B65_L5_P: J4.149 J5.H37 | length 74.2
  L 01 w0.1: J4.149@26.07,41.153 26.585,41.153 26.725,41.013 26.982,41.013 v1(27.232,41.263)
  L 01 w0.2: J5.H37@28.846,105.475 v1(29.395,104.926)
  L 05 S w0.08: v1(27.232,41.263) 26.972,41.003 24.722,41.003 21.7,44.025 21.7,74.95 24.85,78.1 24.85,94.267 26.35,95.767 26.35,102.7 26.6,102.95 28.483,102.95 28.86,103.328 28.86,104.391 v1(29.395,104.926)
B65_L6_N: J4.83 J5.D27 | length 53.6
  L 01 w0.1: v1(24.908,57.763) 25.158,57.513 25.415,57.513 25.555,57.653 J4.83@26.07,57.653
  L 01 w0.2: J5.D27@41.546,100.395 v1(42.095,99.846)
  L 03 S w0.08: v1(24.908,57.763) 25.168,57.503 25.47,57.503 25.699,57.732 25.699,74.499 25.699,75.832 37.15,87.283 37.15,90.233 38.3,91.383 38.3,93.6 39.283,94.583 40.033,94.583 41.36,95.91 41.36,98.993 41.667,99.3 42.5,99.3 42.63,99.43 42.63,99.7 42.485,99.846 v1(42.095,99.846)
B65_L6_P: J4.85 J5.D26 | length 53.9
  L 01 w0.1: v1(24.908,57.043) 25.158,57.293 25.415,57.293 25.555,57.153 J4.85@26.07,57.153
  L 01 w0.2: J5.D26@42.816,100.395 v1(43.365,99.846)
  L 03 S w0.08: v1(24.908,57.043) 25.168,57.303 25.553,57.303 25.899,57.649 25.899,75.749 37.35,87.2 37.35,90.15 38.5,91.3 38.5,93.517 39.366,94.383 40.116,94.383 41.56,95.828 41.56,98.91 41.75,99.1 42.583,99.1 42.83,99.348 42.83,99.7 42.976,99.846 v1(43.365,99.846)
B65_L7_N: J4.71 J5.D24 | length 54
  L 01 w0.1: v1(24.908,60.763) 25.158,60.513 25.415,60.513 25.555,60.653 J4.71@26.07,60.653
  L 01 w0.2: J5.D24@45.356,100.395 v1(45.905,99.846)
  L 05 S w0.08: v1(24.908,60.763) 25.168,60.503 25.503,60.503 25.8,60.8 25.8,62.125 26.625,62.95 29.85,62.95 32.95,66.05 32.95,79.233 34.817,81.1 41.95,88.233 41.95,89.933 43.709,91.691 43.709,93.109 43.32,93.497 43.32,96.42 44.95,98.05 46.2,98.05 46.44,98.29 46.44,99.311 v1(45.905,99.846)
B65_L7_P: J4.73 J5.D23 | length 54.3
  L 01 w0.1: v1(24.908,60.043) 25.158,60.293 25.415,60.293 25.555,60.153 J4.73@26.07,60.153
  L 01 w0.2: J5.D23@46.626,100.395 v1(47.175,99.846)
  L 05 S w0.08: v1(24.908,60.043) 25.168,60.303 25.586,60.303 26,60.717 26,62.042 26.708,62.75 29.933,62.75 30.033,62.85 33.15,65.967 33.15,79.15 42.15,88.15 42.15,89.85 43.909,91.609 43.909,93.191 43.52,93.58 43.52,96.337 45.033,97.85 46.283,97.85 46.64,98.208 46.64,99.311 v1(47.175,99.846)
B65_L8_N: J4.121 J5.G31 | length 65.4
  L 01 w0.1: v1(24.908,48.043) 25.158,48.293 25.415,48.293 25.555,48.153 J4.121@26.07,48.153
  L 01 w0.2: J5.G31@36.466,104.205 v1(37.015,103.656)
  L 03 S w0.08: v1(24.908,48.043) 24.648,48.303 24.217,48.303 22.95,49.57 22.95,76.183 28.85,82.083 28.85,88.933 34.567,94.65 35.208,94.65 37.55,96.992 37.55,103.121 v1(37.015,103.656)
B65_L8_P: J4.119 J5.G30 | length 65.1
  L 01 w0.1: v1(24.908,48.763) 25.158,48.513 25.415,48.513 25.555,48.653 J4.119@26.07,48.653
  L 01 w0.2: J5.G30@37.736,104.205 v1(38.285,103.656)
  L 03 S w0.08: v1(24.908,48.763) 24.648,48.503 24.3,48.503 23.15,49.653 23.15,76.1 29.05,82 29.05,88.85 34.65,94.45 35.291,94.45 37.75,96.909 37.75,103.121 v1(38.285,103.656)
B65_L9_N: J4.101 J5.G22 | length 62.4
  L 01 w0.1: J4.101@26.07,53.153 26.585,53.153 26.725,53.013 26.982,53.013 v1(27.232,53.263)
  L 01 w0.2: J5.G22@47.896,104.205 v1(48.445,103.656)
  L 03 S w0.08: v1(27.232,53.263) 27.492,53.003 27.803,53.003 28.15,53.35 28.15,62.083 30.7,64.633 30.7,70.958 43.35,83.608 43.35,84.333 46.25,87.233 46.25,92.5 48.35,94.6 48.35,96.493 48.98,97.123 48.98,103.121 v1(48.445,103.656)
B65_L9_P: J4.103 J5.G21 | length 62.8
  L 01 w0.1: J4.103@26.07,52.653 26.585,52.653 26.725,52.793 26.982,52.793 v1(27.232,52.543)
  L 01 w0.2: J5.G21@49.166,104.205 v1(49.715,103.656)
  L 03 S w0.08: v1(27.232,52.543) 27.492,52.803 27.886,52.803 28.35,53.267 28.35,62 30.9,64.55 30.9,70.875 43.55,83.525 43.55,84.25 46.45,87.15 46.45,92.417 48.55,94.517 48.55,96.41 49.18,97.04 49.18,103.121 v1(49.715,103.656)
B65_L10_N: J4.95 J5.C27 | length 54.2
  L 01 w0.1: v1(24.908,54.763) 25.158,54.513 25.415,54.513 25.555,54.653 J4.95@26.07,54.653
  L 01 w0.2: J5.C27@41.546,99.125 v1(42.095,98.576)
  L 03 S w0.08: v1(24.908,54.763) 25.168,54.503 25.52,54.503 26.3,55.283 26.3,74.25 26.3,74.983 40.8,89.483 40.8,92.783 42.63,94.613 42.63,98.041 v1(42.095,98.576)
B65_L10_P: J4.97 J5.C26 | length 54.5
  L 01 w0.1: v1(24.908,54.043) 25.158,54.293 25.415,54.293 25.555,54.153 J4.97@26.07,54.153
  L 01 w0.2: J5.C26@42.816,99.125 v1(43.365,98.576)
  L 03 S w0.08: v1(24.908,54.043) 25.168,54.303 25.603,54.303 26.5,55.2 26.5,74.9 41,89.4 41,92.7 42.83,94.53 42.83,98.041 v1(43.365,98.576)
B65_L11_N: J4.77 J5.K29 | length 67.9
  L 01 w0.1: J4.77@26.07,59.153 26.585,59.153 26.725,59.013 26.982,59.013 v1(27.232,59.263)
  L 01 w0.2: J5.K29@39.006,108.015 v1(39.555,107.466)
  L 12 S w0.08: v1(27.232,59.263) 26.972,59.003 26.497,59.003 26.025,59.475 26.025,60.65 24,62.675 24,76.817 24.85,77.667 24.85,93.917 27.6,96.667 27.6,105.149 27.901,105.45 34.833,105.45 35.2,105.817 35.2,107.85 35.95,108.6 39.8,108.6 40.09,108.31 40.09,108.001 v1(39.555,107.466)
B65_L11_P: J4.79 J5.K28 | length 68.9
  L 01 w0.1: J4.79@26.07,58.653 26.585,58.653 26.725,58.793 26.982,58.793 v1(27.232,58.543)
  L 01 w0.2: J5.K28@40.276,108.015 v1(40.825,107.466)
  L 12 S w0.08: v1(27.232,58.543) 26.972,58.803 26.414,58.803 25.825,59.392 25.825,60.567 23.8,62.592 23.8,76.9 24.65,77.75 24.65,94 27.4,96.75 27.4,105.232 27.818,105.65 34.75,105.65 35,105.9 35,107.933 35.867,108.8 39.883,108.8 40.29,108.392 40.29,108.001 v1(40.825,107.466)
B65_L12_N: J4.65 J5.C23 | length 49.7
  L 01 w0.1: J4.65@26.07,62.153 26.585,62.153 26.725,62.013 26.982,62.013 v1(27.232,62.263)
  L 01 w0.2: J5.C23@46.626,99.125 v1(47.175,98.576)
  L 05 S w0.08: v1(27.232,62.263) 27.492,62.003 30.003,62.003 33.6,65.6 33.6,78.85 43.6,88.85 43.6,88.95 44.35,89.7 44.35,93.3 45.9,94.85 45.9,96.453 46.247,96.8 46.9,96.8 47.71,97.61 47.71,98.45 47.585,98.576 v1(47.175,98.576)
B65_L12_P: J4.67 J5.C22 | length 50.1
  L 01 w0.1: J4.67@26.07,61.653 26.585,61.653 26.725,61.793 26.982,61.793 v1(27.232,61.543)
  L 01 w0.2: J5.C22@47.896,99.125 v1(48.445,98.576)
  L 05 S w0.08: v1(27.232,61.543) 27.492,61.803 30.086,61.803 33.8,65.517 33.8,78.767 43.8,88.767 43.8,88.8 44.55,89.55 44.55,93.217 46.1,94.767 46.1,96.37 46.33,96.6 46.983,96.6 47.91,97.528 47.91,98.45 48.036,98.576 v1(48.445,98.576)